# Allegro board 1156197-TDI_VU3P_QSFP28_CXP_V001_1023A-166-20241121_1644_PCB.brd (continued)
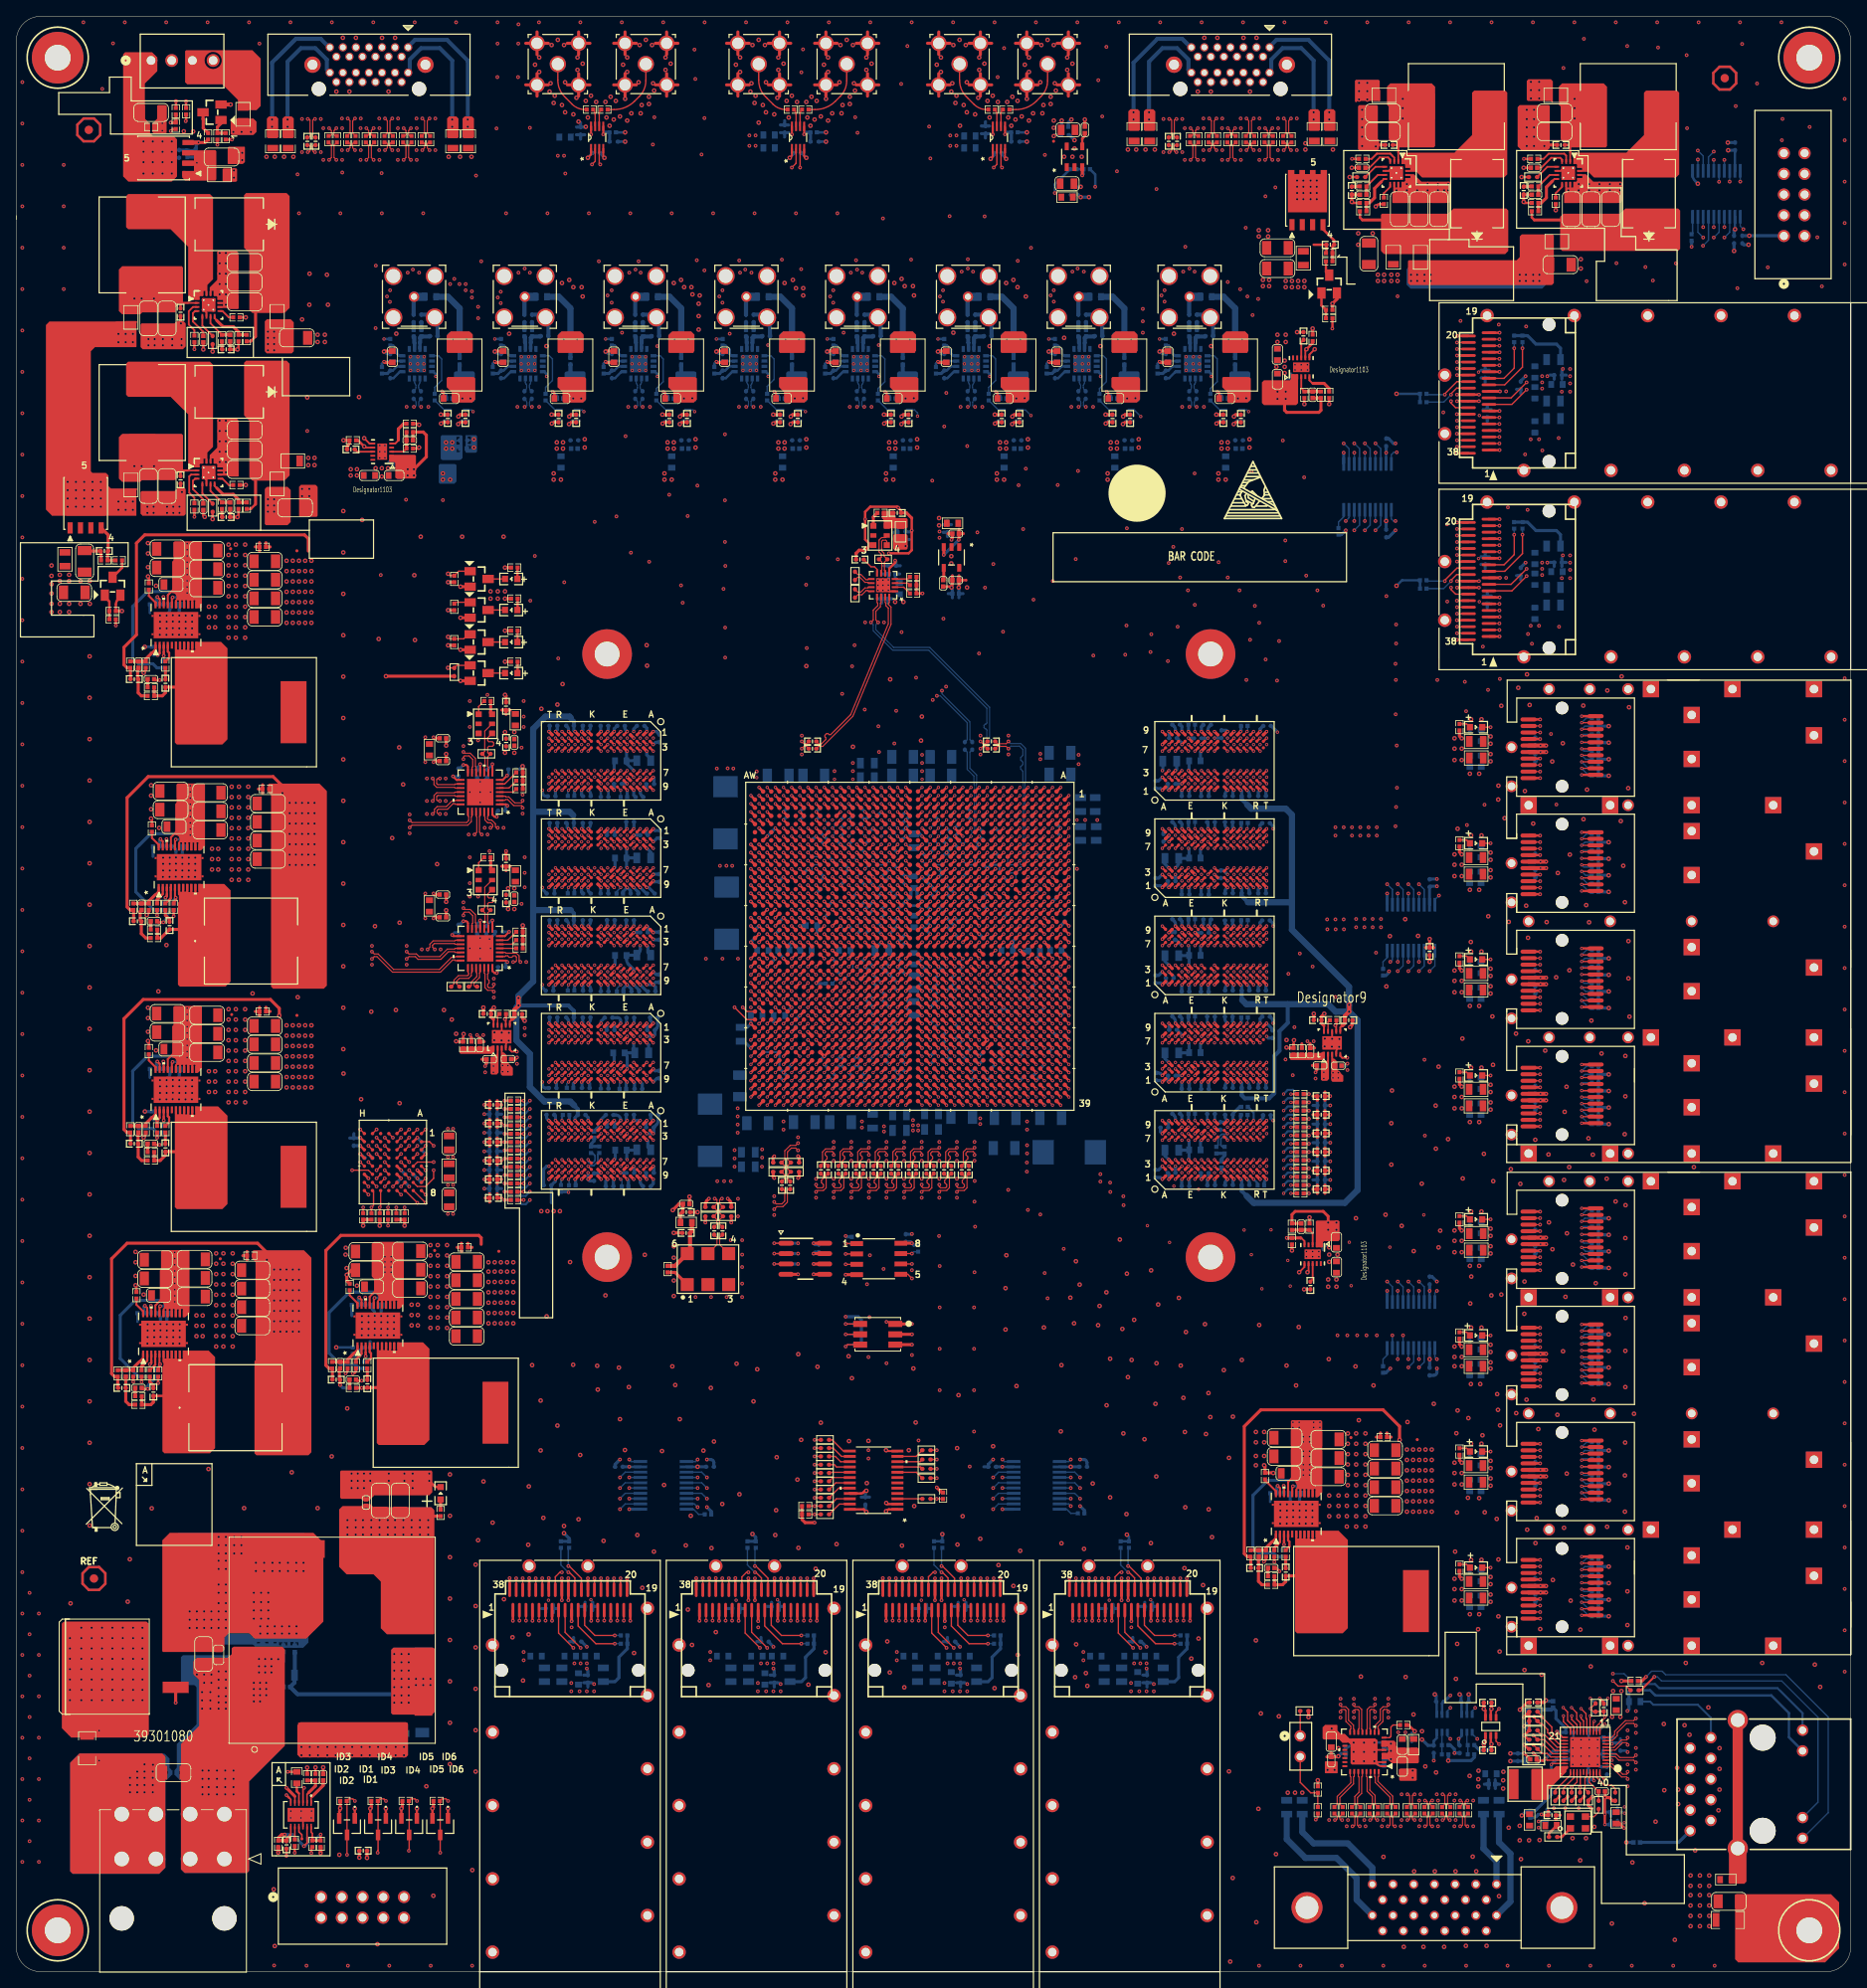
[diagram p0: board, top side]
## Routing (per net, layer and track width the routed paths; a pad name or vN(x,y) marks a point on that pad's centre or on a via; arc(x,y) is an arc through that point) (continued)
CHA_FPGA_DDR4_C1_DQS1_P: length 38.4
  TOP w0.211: U1.AK16 v1(99.1,130.36) ; U7.B7 v3(77.33,123.54)
  ART05 w0.102: 89.71,131.01 89.74,131.01 89.79,130.96 98.46,130.96 98.68,130.74 98.68,130.46 98.78,130.36 v1(99.1,130.36)
  ART05 w0.178: v3(77.33,123.54) 77.47,123.68 77.47,124.2 77.83,124.56 79.91,124.56 80.89,125.54 80.89,125.84 80.06,126.67 80.06,127.18 80.75,127.86 81.25,127.86 82.01,127.1 82.27,127.1 82.77,127.6 82.77,127.85 81.93,128.69 81.93,129.2 82.61,129.88 83.12,129.88 84.09,128.92 84.34,128.92 84.85,129.43 84.85,129.68 83.87,130.66 83.87,131.16 84.63,131.93 86.1,131.93 86.46,131.57 86.46,130.44 86.64,130.26 87.35,130.26 87.52,130.44 87.52,131.55 87.88,131.91 88.57,131.91 89.46,131.01 89.71,131.01
CHA_FPGA_DDR4_C1_DQS2_N: length 33.7
  TOP w0.211: U8.F3 v3(74.13,137.88) ; U1.AT13 v1(93.1,133.36)
  ART16 w0.102: v1(93.1,133.36) 93.52,133.36 93.62,133.26 93.62,133.07 93.51,132.96 89.76,132.96 89.71,133.01 89.69,133.01
  ART16 w0.178: v3(74.13,137.88) 73.93,137.88 73.76,137.7 73.76,137.21 73.93,137.03 74.2,137.03 74.38,137.21 74.38,137.26 74.55,137.44 74.91,137.44 75.09,137.26 75.09,137.21 75.26,137.03 78.63,137.03 79.18,136.47 79.18,133.35 79.49,133.05 80.04,133.05 80.24,133.25 80.24,136.42 80.6,136.78 81.56,136.78 81.92,136.42 81.92,133.2 82.11,133.01 89.69,133.01
CHA_FPGA_DDR4_C1_DQS2_P: length 33.7
  TOP w0.211: U8.G3 v3(73.33,137.88) ; U1.AR13 v1(94.1,133.36)
  ART16 w0.102: v1(94.1,133.36) 93.93,133.36 93.82,133.26 93.82,132.99 93.59,132.76 89.76,132.76 89.71,132.7 89.69,132.7
  ART16 w0.178: 89.69,132.7 81.98,132.7 81.61,133.07 81.61,136.29 81.44,136.47 80.73,136.47 80.55,136.29 80.55,133.13 80.16,132.74 79.27,132.74 78.81,133.2 78.81,136.32 78.41,136.73 73.81,136.73 73.45,137.08 73.45,137.76 v3(73.33,137.88)
CHA_FPGA_DDR4_C1_DQS3_N: length 21.6
  TOP w0.211: U8.A7 v3(78.13,135.48) ; U1.AV17 v1(91.1,129.36)
  ART07 w0.102: v1(91.1,129.36) 91.54,129.36 91.64,129.46 91.64,129.68 90.78,130.54 89.61,130.54 89.56,130.49
  ART07 w0.178: v3(78.13,135.48) 77.99,135.48 77.81,135.66 77.81,135.81 77.99,135.99 78.92,135.99 79.23,135.69 79.63,135.69 79.94,135.99 81.76,135.99 81.94,135.81 81.94,132.21 83.65,130.49 89.56,130.49
CHA_FPGA_DDR4_C1_DQS3_P: length 21.7
  TOP w0.211: U1.AU17 v1(92.1,129.36) ; U8.B7 v3(77.33,135.48)
  ART07 w0.102: v1(92.1,129.36) 91.95,129.36 91.85,129.46 91.85,129.77 90.87,130.75 89.61,130.75 89.56,130.8
  ART07 w0.178: v3(77.33,135.48) 77.51,135.66 77.51,135.94 77.86,136.3 81.89,136.3 82.25,135.94 82.25,132.33 83.78,130.8 89.56,130.8
CHA_FPGA_DDR4_C1_DQS4_N: length 58.2
  TOP w0.17: U9.F3 v3(74.13,102.06)
  TOP w0.211: U1.AH20 v1(101.1,126.36)
  ART12 w0.102: v1(101.1,126.36) 101.52,126.36 101.63,126.26 101.63,126.04 101.49,125.91 100.99,125.91 100.7,126.2 100.7,126.7 100.45,126.96 89.61,126.96 89.56,127.01 89.53,127.01
  ART12 w0.178: v3(74.13,102.06) 74.03,102.06 73.85,101.89 73.85,101.6 74.08,101.37 74.31,101.37 74.53,101.6 75.02,101.6 75.25,101.37 75.73,101.37 75.96,101.6 76.44,101.6 76.67,101.37 77.15,101.37 77.38,101.6 77.86,101.6 78.09,101.37 81.74,101.37 81.92,101.55 81.92,102.26 81.74,102.44 80.04,102.44 79.65,102.82 79.65,103.74 80.04,104.12 81.76,104.12 82.07,104.42 82.07,121.01 85.34,124.28 85.34,124.97 87.38,127.01 89.53,127.01
CHA_FPGA_DDR4_C1_DQS4_P: length 58.1
  TOP w0.17: U9.G3 v3(73.33,102.06)
  TOP w0.211: U1.AG20 v1(102.1,126.36)
  ART12 w0.102: v1(102.1,126.36) 101.94,126.36 101.83,126.25 101.83,125.96 101.57,125.7 100.91,125.7 100.5,126.11 100.5,126.62 100.36,126.76 89.61,126.76 89.56,126.7 89.53,126.7
  ART12 w0.178: v3(73.33,102.06) 73.54,101.85 73.54,101.47 73.95,101.06 81.87,101.06 82.22,101.42 82.22,102.39 81.87,102.75 80.16,102.75 79.96,102.95 79.96,103.61 80.16,103.81 81.89,103.81 82.37,104.3 82.37,120.88 85.65,124.15 85.65,124.84 87.51,126.7 89.53,126.7
CHA_FPGA_DDR4_C1_DQS5_N: length 45.8
  TOP w0.211: U1.AL21 v1(99.1,124.36) ; U9.A7 v3(78.13,99.66)
  ART16 w0.102: v1(99.1,124.36) 99.1,124.61 99,124.71 98.35,124.71 97.39,123.76 96.94,123.76 96.7,123.52 96.7,123.03 96.43,122.76 95.85,122.76 95.7,122.61 95.7,122.01 95.45,121.76 92.91,121.76 92.7,121.55 92.7,121.07 92.39,120.76 89.99,120.76 89.67,120.76 89.62,120.7 89.59,120.7
  ART16 w0.178: v3(78.13,99.66) 77.97,99.66 77.8,99.84 77.8,100.58 78.32,101.1 78.57,101.1 78.99,100.68 79.5,100.68 80.18,101.37 80.18,101.87 79.76,102.29 79.76,102.54 80.81,103.59 81.06,103.59 81.55,103.11 82.05,103.11 82.74,103.79 82.74,104.3 82.25,104.78 82.25,105.03 82.93,105.71 82.93,117.86 85.78,120.7 86.9,120.7 87.1,120.5 87.61,120.5 87.82,120.7 88.32,120.7 88.53,120.5 89.03,120.5 89.24,120.7 89.59,120.7
CHA_FPGA_DDR4_C1_DQS5_P: length 45.9
  TOP w0.211: U9.B7 v3(77.33,99.66) ; v1(99.1,125.36) 99.6,124.86 U1.AK21
  ART16 w0.102: 89.59,121.01 89.62,121.01 89.67,120.96 90.08,120.96 92.31,120.96 92.5,121.15 92.5,121.63 92.83,121.96 95.36,121.96 95.5,122.09 95.5,122.69 95.77,122.96 96.34,122.96 96.5,123.12 96.5,123.61 96.85,123.96 97.31,123.96 98.26,124.92 98.96,124.92 99.1,125.06 v1(99.1,125.36)
  ART16 w0.178: 89.59,121.01 85.65,121.01 82.62,117.98 82.62,105.84 81.94,105.16 81.94,104.65 82.43,104.17 82.43,103.92 81.92,103.42 81.67,103.42 81.19,103.9 80.68,103.9 79.46,102.67 79.46,102.17 79.88,101.75 79.88,101.49 79.37,100.99 79.12,100.99 78.7,101.41 78.19,101.41 77.49,100.7 77.49,99.82 v3(77.33,99.66)
CHA_FPGA_DDR4_C1_DQS6_N: length 39.8
  TOP w0.211: U11.F3 v3(74.13,114) ; U1.AP22 v1(95.1,123.36)
  ART03 w0.102: v1(95.1,123.36) 95.33,123.36 95.41,123.28 95.41,122.98 95.63,122.76 96.44,122.76 96.7,123.02 96.7,126.69 96.43,126.96 90.85,126.96 90.7,127.1 90.15,127.1 90.09,127.15 90.07,127.15
  ART03 w0.178: v3(74.13,114) 73.96,113.84 73.96,113.52 74.14,113.34 78.16,113.34 83,118.18 83,124.03 86.13,127.15 90.07,127.15
CHA_FPGA_DDR4_C1_DQS6_P: length 39.8
  TOP w0.211: U11.G3 v3(73.33,114) ; U1.AN22 v1(96.1,123.36)
  ART03 w0.102: v1(96.1,123.36) 95.71,123.36 95.61,123.26 95.61,123.06 95.71,122.96 96.36,122.96 96.5,123.1 96.5,126.61 96.35,126.76 90.76,126.76 90.62,126.9 90.15,126.9 90.09,126.85 90.07,126.85
  ART03 w0.178: v3(73.33,114) 73.48,114 73.66,113.82 73.66,113.39 74.02,113.03 78.29,113.03 83.31,118.06 83.31,123.9 86.26,126.85 88.66,126.85 88.93,126.57 89.37,126.57 89.64,126.85 90.07,126.85
CHA_FPGA_DDR4_C1_DQS7_N: length 28.1
  TOP w0.211: U11.A7 v3(78.13,111.6) ; v1(92.1,124.36) 91.6,124.86 U1.AV21
  ART05 w0.102: v1(92.1,124.36) 91.8,124.36 91.7,124.26 91.7,123.98 91.48,123.76 89.86,123.76 89.81,123.7 89.78,123.7
  ART05 w0.178: v3(78.13,111.6) 78.06,111.6 77.88,111.78 77.88,111.91 78.06,112.09 79.51,112.09 79.87,112.45 79.87,114.35 80.05,114.53 80.76,114.53 80.93,114.35 80.93,112.45 81.29,112.09 82.19,112.09 82.55,112.45 82.55,116.81 89.44,123.7 89.78,123.7
CHA_FPGA_DDR4_C1_DQS7_P: length 28.2
  TOP w0.211: v1(91.1,124.36) 91.1,124.36 U1.AV22 ; U11.B7 v3(77.33,111.6)
  ART05 w0.102: v1(91.1,124.36) 91.4,124.36 91.5,124.26 91.5,124.06 91.4,123.96 89.86,123.96 89.81,124.01 89.78,124.01
  ART05 w0.178: v3(77.33,111.6) 77.58,111.85 77.58,112.04 77.93,112.39 79.38,112.39 79.56,112.57 79.56,114.48 79.92,114.83 80.88,114.83 81.24,114.48 81.24,112.57 81.42,112.39 82.06,112.39 82.24,112.57 82.24,116.94 89.31,124.01 89.78,124.01
CHA_FPGA_DDR4_C1_DQS8_N: length 37.5
  TOP w0.211: U10.F3 v3(74.13,149.82) ; U1.AN11 v1(96.1,135.36)
  ART12 w0.102: 89.59,138.01 89.61,138.01 89.66,137.96 94.38,137.96 94.7,137.63 94.7,135.16 94.9,134.96 96,134.96 96.1,135.06 v1(96.1,135.36)
  ART12 w0.178: 89.59,138.01 86.32,138.01 85.34,138.99 85.34,148.06 84.35,149.05 75.37,149.05 75.14,149.28 74.66,149.28 74.43,149.05 74.09,149.05 73.8,149.34 73.8,149.64 73.98,149.82 v3(74.13,149.82)
CHA_FPGA_DDR4_C1_DQS8_P: length 37.7
  TOP w0.211: U1.AN12 v1(96.1,134.36) ; U10.G3 v3(73.33,149.82)
  ART12 w0.102: 89.59,137.7 89.61,137.7 89.66,137.76 94.29,137.76 94.5,137.55 94.5,135.07 94.82,134.76 96,134.76 96.1,134.65 v1(96.1,134.36)
  ART12 w0.178: 89.59,137.7 86.19,137.7 85.04,138.86 85.04,147.93 84.23,148.74 73.96,148.74 73.49,149.21 73.49,149.65 v3(73.33,149.82)
CHA_FPGA_DDR4_C1_DQS9_N: length 28.7
  TOP w0.211: U1.AU12 v1(92.1,134.36) ; U10.A7 v3(78.13,147.42)
  ART03 w0.102: v1(92.1,134.36) 92.53,134.36 92.63,134.46 92.63,134.65 92.53,134.76 89.61,134.76 89.56,134.7 89.53,134.7
  ART03 w0.178: v3(78.13,147.42) 78,147.42 77.82,147.59 77.82,147.96 78,148.13 78.64,148.13 78.81,147.96 78.81,147.73 78.99,147.55 79.35,147.55 79.53,147.73 79.53,147.96 79.7,148.13 80.08,148.13 84.35,143.87 84.35,135.94 85.59,134.7 89.53,134.7
CHA_FPGA_DDR4_C1_DQS9_P: length 28.4
  TOP w0.211: U1.AT12 v1(93.1,134.36) ; U10.B7 v3(77.33,147.42)
  ART03 w0.102: 89.53,135.01 89.56,135.01 89.61,134.96 92.62,134.96 92.84,134.74 92.84,134.43 92.91,134.36 v1(93.1,134.36)
  ART03 w0.178: v3(77.33,147.42) 77.51,147.6 77.51,148.08 77.87,148.44 80.21,148.44 84.66,143.99 84.66,136.07 85.72,135.01 89.53,135.01
CHA_FPGA_DDR4_C1_ODT: length 130.9
  TOP w0.267: U9.K3 v3(70.13,102.06) ; U1.AL8 v1(98.1,138.36) ; U7.K3 v3(70.13,125.94) ; U8.K3 v3(70.13,137.88) ; U11.K3 v3(70.13,114) ; R119.1 v1(62.23,100.81) ; U10.K3 v3(70.13,149.82)
  ART05 w0.122: v3(70.13,102.06) 70.54,102.47 70.54,104.04 70.53,104.04 70.53,106.92 70.41,107.04 70.25,107.04 70.13,107.16 70.13,107.4 70.25,107.53 70.56,107.53 70.68,107.65 70.68,107.89 70.56,108.01 70.25,108.01 70.13,108.14 70.13,108.38 70.25,108.5 70.41,108.5 70.53,108.62 70.53,111.84 70.13,112.24 70.13,112.67 70.01,112.79 69.79,112.79 69.67,112.91 69.67,113.15 69.79,113.27 70.01,113.27 70.13,113.4 v3(70.13,114) 70.54,114.41 70.54,115.98 70.53,115.98 70.53,118.86 70.41,118.98 70.25,118.98 70.13,119.1 70.13,119.34 70.25,119.46 70.56,119.46 70.68,119.59 70.68,119.83 70.56,119.95 70.25,119.95 70.13,120.07 70.13,120.32 70.25,120.44 70.41,120.44 70.53,120.56 70.53,123.78 70.13,124.18 70.13,124.6 70.01,124.73 69.79,124.73 69.67,124.85 69.67,125.09 69.79,125.21 70.01,125.21 70.13,125.33 v3(70.13,125.94) 70.54,126.34 70.54,127.91 70.53,127.92 70.53,130.79 70.41,130.92 70.25,130.92 70.13,131.04 70.13,131.28 70.25,131.4 70.56,131.4 70.68,131.52 70.68,131.77 70.56,131.89 70.25,131.89 70.13,132.01 70.13,132.26 70.25,132.38 70.41,132.38 70.53,132.5 70.53,135.72 70.13,136.12 70.13,136.54 70.01,136.66 69.79,136.66 69.67,136.79 69.67,137.03 69.79,137.15 70.01,137.15 70.13,137.27 v3(70.13,137.88) 70.54,138.28 70.54,140.49 70.94,140.89 71.4,140.89 71.53,141.01 71.53,141.25 71.4,141.38 71.06,141.38 70.94,141.5 70.94,141.74 71.06,141.86 71.4,141.86 71.53,141.99 71.53,142.23 71.4,142.35 71.06,142.35 70.94,142.47 70.94,142.72 71.06,142.84 71.4,142.84 71.53,142.96 71.53,143.21 71.4,143.33 71.06,143.33 70.94,143.45 70.94,143.69 71.06,143.82 71.4,143.82 71.53,143.94 71.53,144.18 71.4,144.3 71.06,144.3 70.94,144.42 70.94,144.91 70.53,145.32 70.53,147.66 70.13,148.06 70.13,148.48 70.01,148.6 69.79,148.6 69.67,148.72 69.67,148.97 69.79,149.09 70.01,149.09 70.13,149.21 v3(70.13,149.82)
  ART05 w0.191: v1(98.1,138.36) 97.74,138.36 97.27,138.82 91.86,138.82 89.56,141.12 78.2,141.12 78.01,141.31 78.01,142.94 77.82,143.13 77.44,143.13 77.25,142.94 77.25,141.31 77.06,141.12 76.68,141.12 76.49,141.31 76.49,142.94 76.3,143.13 75.92,143.13 75.73,142.94 75.73,141.31 75.54,141.12 75.15,141.12 74.96,141.31 74.96,142.94 74.77,143.13 74.39,143.13 74.2,142.94 74.2,141.31 74.01,141.12 73.38,141.12 73.25,141.26 73.25,144.24 73.41,144.4 78.41,144.4 78.79,144.78 78.79,147.65 78.23,148.21 72.01,148.21 70.4,149.82 v3(70.13,149.82)
  ART07 w0.191: v3(70.13,102.06) 69.85,101.78 69.85,101.24 68.94,100.33 62.71,100.33 v1(62.23,100.81)
CHA_FPGA_DDR4_C1_PARITY: length 129.9
  TOP w0.267: U1.AG12 v1(102.1,134.36) ; U11.T3 v3(65.33,114) ; U10.T3 v3(65.33,149.82) ; U9.T3 v3(65.33,102.06) ; U7.T3 v3(65.33,125.94) ; R124.1 v1(62.23,103.86) ; U8.T3 v3(65.33,137.88)
  ART05 w0.122: v3(65.33,149.82) 64.93,149.42 64.93,149.25 64.81,149.13 64.49,149.13 64.36,149.01 64.36,148.77 64.49,148.64 65.04,148.64 65.18,148.5 65.18,148.28 65.06,148.16 64.49,148.16 64.36,148.03 64.36,147.79 64.49,147.67 65.04,147.67 65.18,147.52 65.18,147.3 65.06,147.18 64.49,147.18 64.36,147.06 64.36,146.82 64.49,146.69 64.81,146.69 64.93,146.57 64.93,146.33 64.81,146.21 64.49,146.21 64.36,146.08 64.36,145.84 64.49,145.72 64.81,145.72 64.93,145.6 64.93,144.64 64.67,144.37 64.67,140.89 64.93,140.63 64.93,138.28 v3(65.33,137.88) 64.96,137.51 64.96,132.61 65.08,132.49 65.23,132.49 65.35,132.37 65.35,132.13 65.23,132.01 65.08,132.01 64.96,131.88 64.96,131.64 65.08,131.52 65.23,131.52 65.35,131.4 65.35,131.15 65.23,131.03 65.08,131.03 64.96,130.91 64.96,130.66 65.08,130.54 65.23,130.54 65.35,130.42 65.35,130.18 65.23,130.05 65.08,130.05 64.96,129.93 64.96,129.69 65.08,129.57 65.23,129.57 65.35,129.44 65.35,129.2 65.23,129.08 65.08,129.08 64.96,128.96 64.96,126.31 v3(65.33,125.94) 64.96,125.57 64.96,120.68 65.08,120.55 65.23,120.55 65.35,120.43 65.35,120.19 65.23,120.07 65.08,120.07 64.96,119.95 64.96,119.7 65.08,119.58 65.18,119.58 65.3,119.46 65.3,119.21 65.18,119.09 65.08,119.09 64.96,118.97 64.96,118.73 65.08,118.6 65.18,118.6 65.3,118.48 65.3,118.24 65.18,118.12 65.08,118.12 64.96,117.99 64.96,117.75 65.08,117.63 65.23,117.63 65.35,117.51 65.35,117.26 65.23,117.14 65.08,117.14 64.96,117.02 64.96,114.37 v3(65.33,114) 64.96,113.63 64.96,108.74 65.08,108.62 65.23,108.62 65.35,108.49 65.35,108.25 65.23,108.13 64.93,108.13 64.81,108.01 64.81,107.76 64.93,107.64 65.18,107.64 65.3,107.52 65.3,107.28 65.18,107.15 65.08,107.15 64.96,107.03 64.96,106.79 65.08,106.67 65.18,106.67 65.3,106.54 65.3,106.3 65.18,106.18 65.08,106.18 64.96,106.06 64.96,105.81 65.08,105.69 65.23,105.69 65.35,105.57 65.35,105.32 65.23,105.2 65.08,105.2 64.96,105.08 64.96,102.44 v3(65.33,102.06)
  ART05 w0.191: v1(102.1,134.36) 102.59,134.85 102.59,138.58 102.29,138.89 101.85,138.89 101.55,139.19 101.55,140.54 101.24,140.84 100.94,140.84 100.61,141.17 100.61,141.53 99.29,142.85 97.76,142.85 97.56,143.05 97.56,143.59 97.33,143.81 94.97,143.81 94.59,144.2 94.59,145.57 94.28,145.87 90.6,145.87 89.04,147.44 89.04,147.71 89.4,148.07 89.4,148.34 89.13,148.61 88.86,148.61 88.5,148.24 88.23,148.24 87.96,148.51 87.96,148.78 88.2,149.02 88.2,149.29 87.93,149.56 87.66,149.56 87.42,149.32 87.15,149.32 86.88,149.59 86.88,149.86 87.12,150.1 87.12,150.37 86.85,150.64 86.58,150.64 86.34,150.4 86.07,150.4 85.8,150.67 85.8,150.94 86.04,151.18 86.04,151.45 85.77,151.72 85.5,151.72 85.27,151.48 85,151.48 84.73,151.75 84.73,152.02 84.97,152.26 84.97,152.52 84.7,152.79 84.43,152.79 84.19,152.56 83.92,152.56 83.65,152.83 83.65,153.09 83.89,153.33 83.89,153.6 83.62,153.87 83.35,153.87 83.11,153.63 82.84,153.63 81.81,154.66 65.76,154.66 64.35,153.25 64.35,150.79 v3(65.33,149.82)
  ART14 w0.191: v3(65.33,102.06) 64.66,102.06 63.35,103.38 62.71,103.38 v1(62.23,103.86)
CHA_FPGA_DDR4_C1_RAS: length 126.3
  TOP w0.267: U7.L8 v3(69.33,121.94) ; U9.L8 v3(69.33,98.06) ; U1.AP7 v3(95.1,139.36) ; U10.L8 v3(69.33,145.82) ; U11.L8 v3(69.33,110) ; U8.L8 v3(69.33,133.88)
  ART07 w0.165: 73.05,147.75 72.93,147.63 72.93,145.59 72.75,145.41 69.74,145.41 v3(69.33,145.82)
  ART07 w0.191: v3(95.1,139.36) 95.1,139.67 94.61,140.16 94.61,150.46 94.42,150.65 92.78,150.65 92.57,150.87 92.57,151.22 92.76,151.41 94.42,151.41 94.61,151.6 94.61,152 94.42,152.19 93.51,152.19 93.32,152.38 93.32,152.46 93.13,152.65 92.75,152.65 92.56,152.46 92.56,152.38 92.37,152.19 91.99,152.19 91.8,152.38 91.8,152.46 91.61,152.65 91.23,152.65 91.04,152.46 91.04,152.38 90.85,152.19 90.47,152.19 90.28,152.38 90.28,152.46 90.08,152.65 89.7,152.65 89.51,152.46 89.51,152.38 89.32,152.19 88.94,152.19 88.75,152.38 88.75,152.46 88.56,152.65 88.18,152.65 87.99,152.46 87.99,152.38 87.8,152.19 87.42,152.19 87.23,152.38 87.23,152.46 87.04,152.65 86.66,152.65 86.47,152.46 86.47,152.38 86.27,152.19 85.89,152.19 85.7,152.38 85.7,152.46 85.51,152.65 85.13,152.65 84.94,152.46 84.94,152.38 84.75,152.19 84.37,152.19 84.18,152.38 84.18,152.46 83.99,152.65 83.61,152.65 83.42,152.46 83.42,152.38 83.23,152.19 82.85,152.19 82.66,152.38 82.66,152.46 82.46,152.65 82.08,152.65 81.89,152.46 81.89,152.38 81.7,152.19 81.31,152.19 81.12,152 81.12,151.02 80.93,150.83 80.57,150.83 80.36,151.04 80.36,152 80.17,152.19 79.77,152.19 79.55,151.97 79.55,149.5 78.31,148.26 73.56,148.26 73.05,147.75
  ART12 w0.122: v3(69.33,145.82) 69.73,145.41 69.73,144.55 69.85,144.43 69.96,144.43 70.08,144.31 70.08,144.06 69.96,143.94 69.85,143.94 69.73,143.82 69.73,143.57 69.85,143.45 69.96,143.45 70.08,143.33 70.08,143.09 69.96,142.97 69.85,142.97 69.73,142.84 69.73,142.6 69.85,142.48 69.96,142.48 70.08,142.36 70.08,142.11 69.96,141.99 69.85,141.99 69.73,141.87 69.73,141.62 69.85,141.5 69.96,141.5 70.08,141.38 70.08,141.14 69.96,141.01 69.85,141.01 69.73,140.89 69.73,137.49 69.61,137.36 69.39,137.36 69.27,137.24 69.27,137 69.39,136.88 69.61,136.88 69.73,136.75 69.73,136.51 69.61,136.39 69.39,136.39 69.27,136.27 69.27,136.02 69.39,135.9 69.61,135.9 69.73,135.78 69.73,134.26 69.35,133.88 v3(69.33,133.88) 69.73,133.48 69.73,132.24 69.61,132.12 69.41,132.12 69.29,132 69.29,131.76 69.41,131.63 69.61,131.63 69.73,131.51 69.73,125.55 69.61,125.43 69.39,125.43 69.27,125.3 69.27,125.06 69.39,124.94 69.61,124.94 69.73,124.82 69.73,124.57 69.61,124.45 69.39,124.45 69.27,124.33 69.27,124.09 69.39,123.96 69.61,123.96 69.73,123.84 69.73,122.32 69.35,121.94 v3(69.33,121.94) 69.73,121.54 69.73,120.3 69.61,120.18 69.41,120.18 69.29,120.06 69.29,119.82 69.41,119.7 69.61,119.7 69.73,119.57 69.73,113.61 69.61,113.49 69.39,113.49 69.27,113.37 69.27,113.12 69.39,113 69.61,113 69.73,112.88 69.73,112.63 69.61,112.51 69.39,112.51 69.27,112.39 69.27,112.15 69.39,112.03 69.61,112.03 69.73,111.9 69.73,110.38 69.35,110 v3(69.33,110) 69.73,109.6 69.73,108.37 69.61,108.24 69.41,108.24 69.29,108.12 69.29,107.88 69.41,107.76 69.61,107.76 69.73,107.64 69.73,101.67 69.61,101.55 69.39,101.55 69.27,101.43 69.27,101.18 69.39,101.06 69.61,101.06 69.73,100.94 69.73,100.7 69.61,100.57 69.39,100.57 69.27,100.45 69.27,100.21 69.39,100.09 69.61,100.09 69.73,99.97 69.73,98.45 69.35,98.06 v3(69.33,98.06)
  ART14 w0.165: 69.73,96.88 69.73,97.66 v3(69.33,98.06)
  ART14 w0.191: 69.73,96.88 69.73,96.07 68.29,94.63 63.08,94.63 v1(62.99,94.72)
  BOTTOM w0.267: R116.1 61.97,94.21 62.48,94.21 v1(62.99,94.72)
CHA_FPGA_DDR4_C1_RESET: length 99.8
  TOP w0.267: U1.AK13 v1(99.1,133.36) ; U8.P1 v3(66.93,140.28) ; U9.P1 v3(66.93,104.46) ; U10.P1 v3(66.93,152.22) ; U7.P1 v3(66.93,128.34) ; U11.P1 v3(66.93,116.4)
  ART05 w0.122: v3(66.93,104.46) 67.31,104.84 67.31,115.98 66.93,116.36 v3(66.93,116.4) 67.31,116.78 67.31,127.91 66.93,128.29 v3(66.93,128.34) 67.31,128.72 67.31,139.85 66.93,140.23 v3(66.93,140.28) 67.31,140.66 67.31,151.79 66.93,152.17 v3(66.93,152.22)
  ART05 w0.191: v3(66.93,152.22) 67.44,152.73 78.38,152.73 78.93,152.18 78.93,149.77 83.03,145.67 84.76,145.67 87.6,142.82 90.41,142.82 90.6,142.63 90.6,142.09 90.81,141.88 92.38,141.88 93.42,140.84 97.36,140.84 97.64,140.56 97.64,140.18 97.94,139.88 98.36,139.88 98.55,139.69 98.55,139.14 98.83,138.86 99.36,138.86 99.64,138.58 99.64,133.93 99.1,133.39 v1(99.1,133.36)
  BOTTOM w0.267: R94.2 66.93,105.05 v3(66.93,104.46)
CHA_FPGA_DDR4_C1_WE: length 132.3
  TOP w0.267: U11.L2 v3(69.33,115.6) ; U9.L2 v3(69.33,103.66) ; U1.AK11 v1(99.1,135.36) ; U7.L2 v3(69.33,127.54) ; R118.1 v1(62.23,106.91) ; U10.L2 v3(69.33,151.42) ; U8.L2 v3(69.33,139.48)
  ART03 w0.122: v3(69.33,103.66) 69.73,104.06 69.73,106.34 69.85,106.46 69.96,106.46 70.08,106.59 70.08,106.83 69.96,106.95 69.85,106.95 69.73,107.07 69.73,107.32 69.85,107.44 69.96,107.44 70.08,107.56 70.08,107.8 69.96,107.93 69.85,107.93 69.73,108.05 69.73,111.86 69.61,111.98 69.44,111.98 69.32,112.11 69.32,112.35 69.44,112.47 69.61,112.47 69.73,112.59 69.73,112.84 69.61,112.96 69.44,112.96 69.32,113.08 69.32,113.32 69.44,113.45 69.61,113.45 69.73,113.57 U11.L2 v3(69.33,115.6) 69.73,116 69.73,118.28 69.85,118.4 69.96,118.4 70.08,118.52 70.08,118.77 69.96,118.89 69.85,118.89 69.73,119.01 69.73,119.26 69.85,119.38 69.96,119.38 70.08,119.5 70.08,119.74 69.96,119.86 69.85,119.86 69.73,119.99 69.73,123.8 69.61,123.92 69.44,123.92 69.32,124.04 69.32,124.29 69.44,124.41 69.61,124.41 69.73,124.53 69.73,124.77 69.61,124.9 69.44,124.9 69.32,125.02 69.32,125.26 69.44,125.38 69.61,125.38 69.73,125.51 U7.L2 v3(69.33,127.54) 69.73,127.94 69.73,130.22 69.85,130.34 69.96,130.34 70.08,130.46 70.08,130.71 69.96,130.83 69.85,130.83 69.73,130.95 69.73,131.19 69.85,131.32 69.96,131.32 70.08,131.44 70.08,131.68 69.96,131.8 69.85,131.8 69.73,131.92 69.73,135.74 69.61,135.86 69.44,135.86 69.32,135.98 69.32,136.23 69.44,136.35 69.61,136.35 69.73,136.47 69.73,136.71 69.61,136.83 69.44,136.83 69.32,136.96 69.32,137.2 69.44,137.32 69.61,137.32 69.73,137.44 U8.L2 v3(69.33,139.48) 69.73,139.88 69.73,140.51 70.18,140.95 70.46,140.95 70.59,141.07 70.59,141.32 70.46,141.44 70.18,141.44 70.05,141.56 70.05,141.81 70.18,141.93 70.46,141.93 70.59,142.05 70.59,142.29 70.46,142.42 70.18,142.42 70.05,142.54 70.05,142.78 70.18,142.9 70.52,142.9 70.64,143.02 70.64,143.27 70.52,143.39 70.18,143.39 70.05,143.51 70.05,143.76 70.18,143.88 70.46,143.88 70.59,144 70.59,144.24 70.46,144.37 70.18,144.37 69.73,144.81 69.73,147.68 69.61,147.8 69.44,147.8 69.32,147.92 69.32,148.16 69.44,148.28 69.61,148.28 69.73,148.41 69.73,148.65 69.61,148.77 69.44,148.77 69.32,148.89 69.32,149.14 69.44,149.26 69.61,149.26 69.73,149.38 U10.L2 v3(69.33,151.42)
  ART07 w0.165: v3(69.33,151.42) 68.93,151.82 68.93,152.37
  ART07 w0.191: v1(99.1,135.36) 99.57,135.82 99.57,136.63 99.31,136.88 98.81,136.88 98.6,137.08 98.6,146.1 99.21,146.71 99.21,153.64 94.57,158.28 80.51,158.28 80.35,158.12 80.08,158.12 79.93,158.27 79.66,158.27 79.39,158 79.39,157.73 79.54,157.58 79.54,157.31 79.27,157.04 79,157.04 78.58,157.46 78.31,157.46 78.04,157.19 78.04,156.92 78.46,156.5 78.46,156.23 78.19,155.96 77.92,155.96 77.5,156.38 77.23,156.38 76.96,156.11 76.96,155.84 77.38,155.42 77.38,155.16 77.1,154.88 70.12,154.88 68.93,153.69 68.93,152.37
  ART14 w0.165: 68.93,104.7 68.93,104.06 v3(69.33,103.66)
  ART14 w0.191: v1(62.23,106.91) 62.71,106.43 67.44,106.43 68.93,104.93 68.93,104.7
CHA_FPGA_DDR4_C2_A0: length 135
  TOP w0.267: v3(156.34,101.63) R138.1 ; U15.P3 v3(151.76,111.6) ; U1.J8 v1(121.1,138.36) ; U16.P3 v3(151.76,147.42) ; U17.P3 v3(151.76,99.66) ; U14.P3 v3(151.76,135.48) ; U13.P3 v3(151.76,123.54)
  ART12 w0.122: v3(151.76,147.42) 152.16,147.02 152.16,144.53 152.29,144.41 152.48,144.41 152.6,144.29 152.6,144.04 152.48,143.92 152.08,143.92 151.96,143.8 151.96,143.56 152.08,143.43 152.48,143.43 152.6,143.31 152.6,143.07 152.48,142.95 152.08,142.95 151.96,142.83 151.96,142.58 152.08,142.46 152.48,142.46 152.6,142.34 152.6,142.09 152.48,141.97 152.08,141.97 151.96,141.85 151.96,141.61 152.08,141.48 152.48,141.48 152.6,141.36 152.6,141.12 152.48,141 152.29,141 152.16,140.87 152.16,137.58 152.29,137.46 152.45,137.46 152.57,137.34 152.57,137.09 152.45,136.97 152.28,136.97 152.16,136.85 152.16,136.6 152.28,136.48 152.45,136.48 152.57,136.36 152.57,136.12 152.45,135.99 152.28,135.99 v3(151.76,135.48) 152.16,135.08 152.16,132.59 152.29,132.47 152.48,132.47 152.6,132.35 152.6,132.11 152.48,131.98 152.21,131.98 152.06,131.84 152.06,131.62 152.16,131.52 152.16,125.64 152.29,125.52 152.45,125.52 152.57,125.4 152.57,125.15 152.45,125.03 152.28,125.03 152.16,124.91 152.16,124.67 152.28,124.54 152.45,124.54 152.57,124.42 152.57,124.18 152.45,124.06 152.28,124.06 v3(151.76,123.54) 152.16,123.14 152.16,120.66 152.29,120.53 152.48,120.53 152.6,120.41 152.6,120.17 152.48,120.05 152.21,120.05 152.06,119.9 152.06,119.68 152.16,119.58 152.16,117.77 152.37,117.56 152.37,117.28 152.16,117.07 152.16,113.7 152.29,113.58 152.45,113.58 152.57,113.46 152.57,113.22 152.45,113.09 152.28,113.09 152.16,112.97 152.16,112.73 152.28,112.61 152.45,112.61 152.57,112.48 152.57,112.24 152.45,112.12 152.28,112.12 v3(151.76,111.6) 152.16,111.2 152.16,108.72 152.29,108.6 152.48,108.6 152.6,108.47 152.6,108.23 152.48,108.11 152.21,108.11 152.06,107.96 152.06,107.74 152.16,107.64 152.16,105.83 152.37,105.62 152.37,105.34 152.16,105.13 152.16,101.77 152.29,101.64 152.45,101.64 152.57,101.52 152.57,101.28 152.45,101.16 152.28,101.16 152.16,101.03 152.16,100.79 152.28,100.67 152.45,100.67 152.57,100.55 152.57,100.3 152.45,100.18 152.28,100.18 v3(151.76,99.66)
  ART12 w0.191: v3(151.76,147.42) 150.97,148.21 148.74,148.21 147.55,149.4 147.55,152.35 147.12,152.78 130.09,152.78 127.34,150.03 125.56,150.03 125.37,150.22 125.37,152.59 125.18,152.78 124.8,152.78 124.61,152.59 124.61,149.58 124.42,149.39 124.03,149.39 123.84,149.58 123.84,152.59 123.65,152.78 123.27,152.78 123.08,152.59 123.08,149.58 122.89,149.39 122.51,149.39 122.32,149.58 122.32,152.59 122.13,152.78 120.95,152.78 120.73,152.55 120.73,145.8 120.62,145.69 120.62,139.12 121.1,138.64 v1(121.1,138.36)
  ART14 w0.191: v3(156.34,101.63) 155.8,101.09 155.07,101.09 154.31,100.33 152.43,100.33 v3(151.76,99.66)
CHA_FPGA_DDR4_C2_A1: length 141.7
  TOP w0.267: U17.P7 v3(151.76,102.06) ; U13.P7 v3(151.76,125.94) ; U15.P7 v3(151.76,114) ; U16.P7 v3(151.76,149.82) ; U14.P7 v3(151.76,137.88) ; U1.M10 v1(118.1,136.36)